# Altium PCB SP7.PcbDoc (part 1 of 4) (continued)
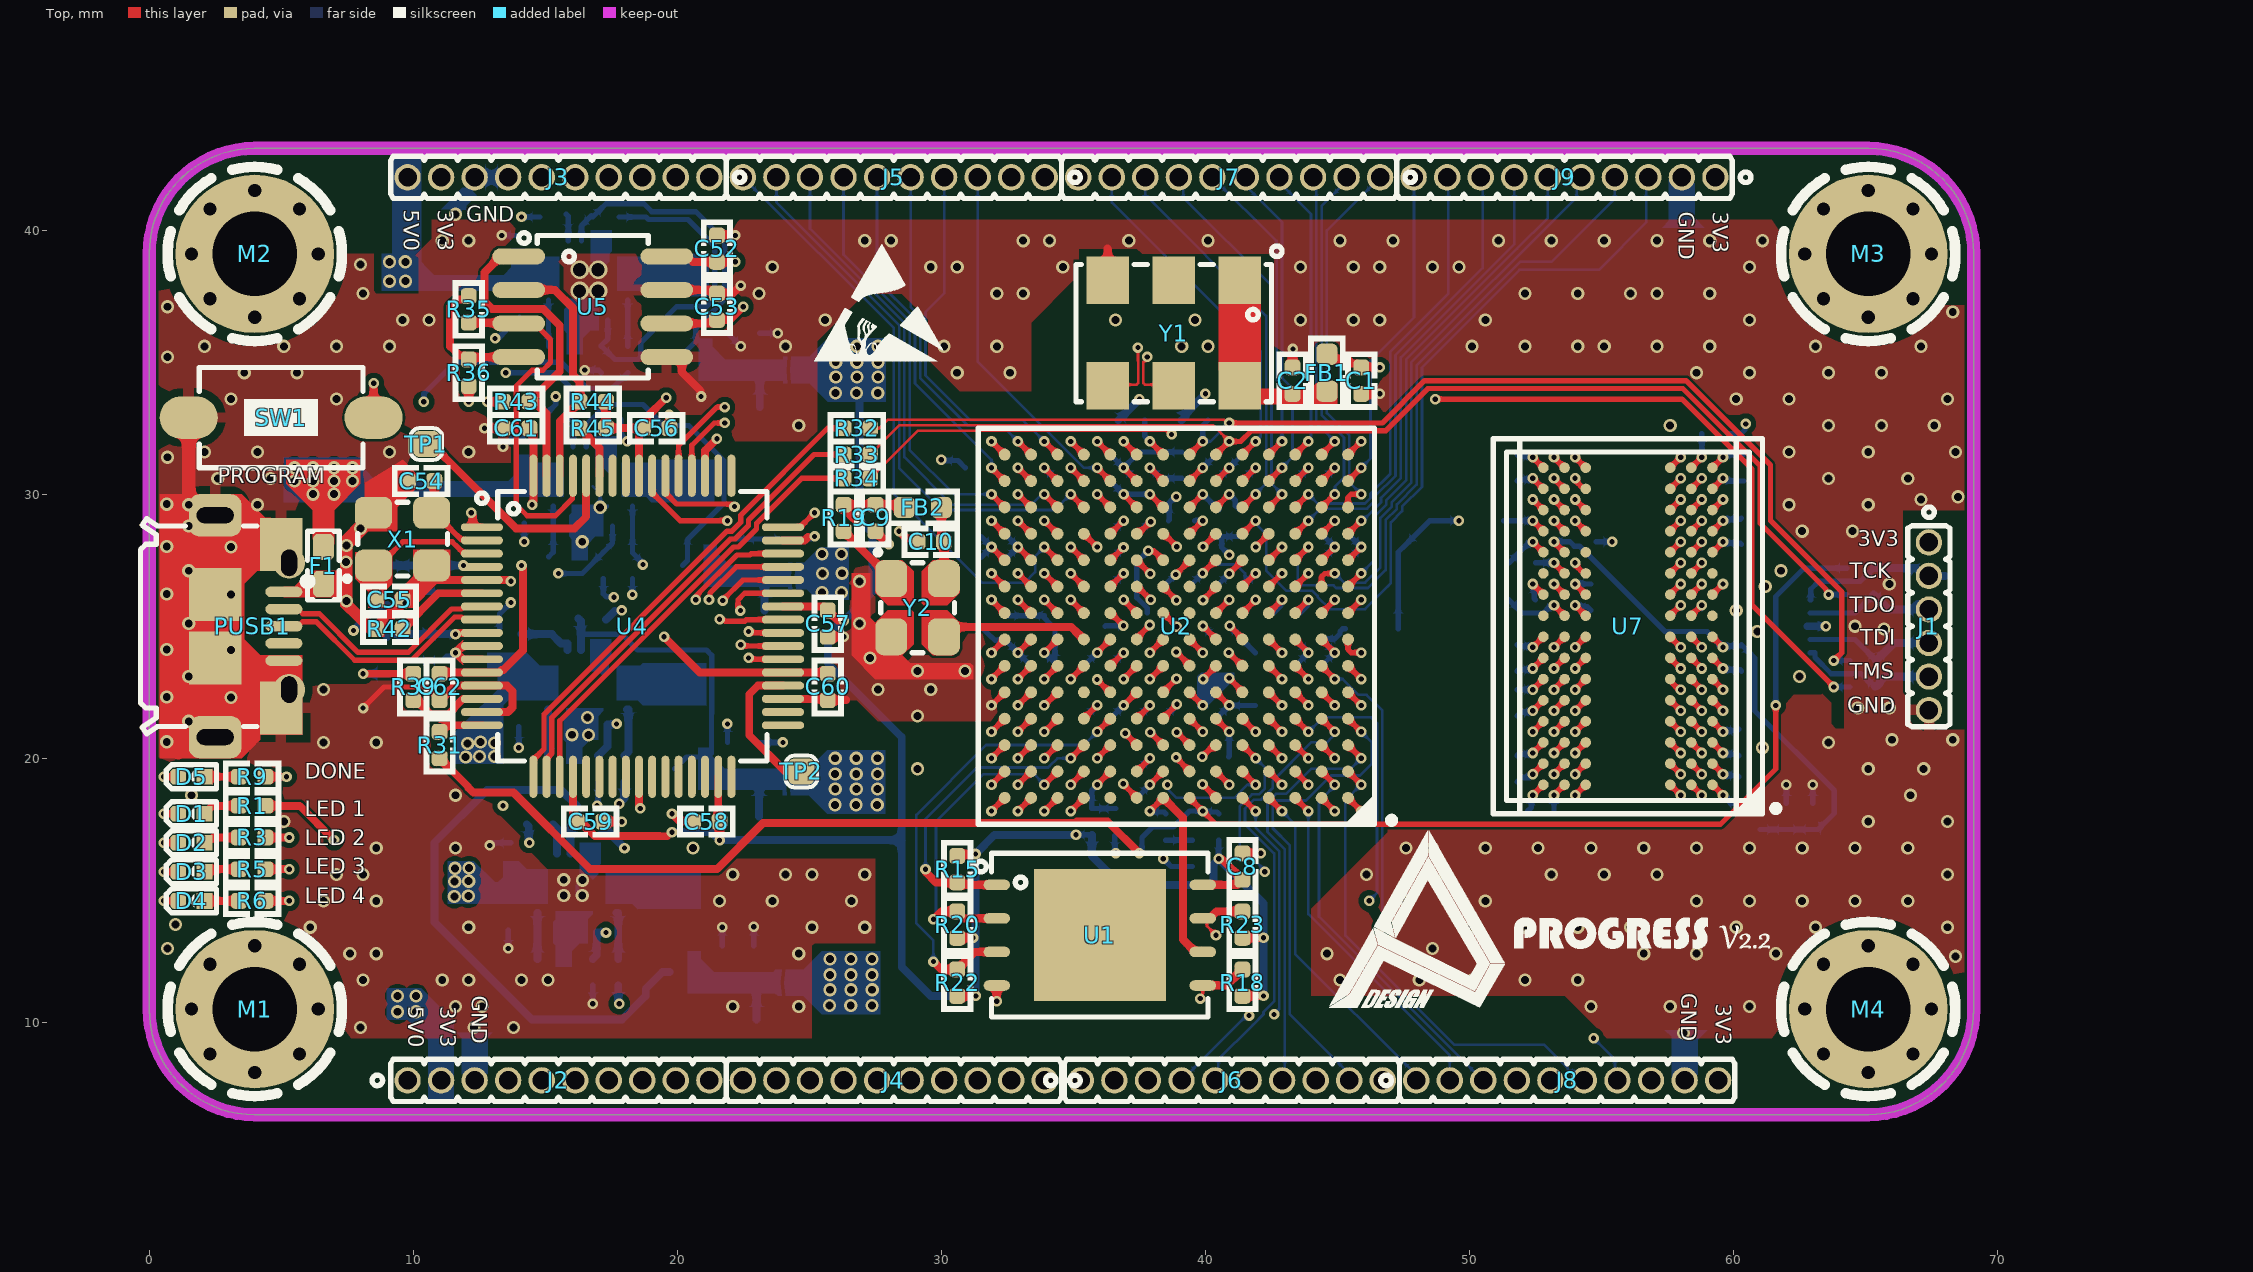
[diagram p0: Top view]
## Footprints (in the part's own frame and the unit in brackets; to place one, negate y for a bottom-side part, rotate by r counter-clockwise, add the part's x,y. Pads: shape width x height; smd on the part's side, far side on the other; paste and mask are expansions set on the pad) (continued)
  silkscreen extent -8.27,-7.5 7.5,7.5, body extent -7.5,-7.5 7.5,7.5, height 1.55
C0402 [mm] "CHIP Capacitor, 1.0X0.5mm, 0402"
  rrect50% 0.6x0.6 smd paste-0.05 mask+0.075: 1(-0.5,0) 2(0.5,0)
  silkscreen extent -1.1,-0.6 1.1,0.6, body extent -0.5,-0.26 0.5,0.27, height 0.36
C0603 [mm] "CHIP Capacitor, 1.6X0.8mm, 0603 OPTIMIZED"
  rrect50% 0.8x0.8 smd paste-5 mask+0.075: 1(-0.7,0) 2(0.7,0)
  Top pour cut-out: -0.5,0.4 0.5,0.4 0.5,-0.4 -0.5,-0.4
  silkscreen extent -1.4,-0.7 1.4,0.7, body extent -0.8,-0.4 0.8,0.4, height 0.9
C0805 [mm] "CHIP Capacitor, 2.0X1.3mm, 0805"
  rrect50% 1x1.2 smd paste-5 mask+0.075: 1(-1,0) 2(1,0)
  Top pour cut-out: -0.5,0.8 0.5,0.8 0.5,-0.8 -0.5,-0.8
  silkscreen extent -1.7,-0.8 1.7,0.8, body extent -1,-0.62 1,0.62, height 1
C1206 [mm] "CHIP Capacitor, 3.2X1.6mm, 1206"
  rrect50% 1.6x1.6 smd paste-5 mask+0.075: 1(-1.4,0) 2(1.4,0)
  Top pour cut-out: -0.8,1 -0.8,-1 0.8,-1 0.8,1
  silkscreen extent -2.4,-1 2.4,1, body extent -1.6,-0.8 1.6,0.8, height 1
F0603 [mm] "FUSE FAST 500mA, 1.6x0.8mm, 0603"
  rrect50% 1x0.8 smd paste-2 mask+0.075: 1(-0.7,0) 2(0.7,0)
  Top pour cut-out: -0.65,0.5 -0.45,0.7 0.45,0.7 0.65,0.5 0.65,-0.5 0.45,-0.7 -0.45,-0.7 -0.65,-0.5
  silkscreen extent -1.34,-0.6 1.34,0.6, body extent -0.82,-0.42 0.83,0.43, height 0.82
HDRMINI_M_1X6 [mm] "mini header (50mil pitch)"
  round 1 / inner round 1 / far side oval 1x1.4 hole 0.7 mask+0.05: 1(-3.175,0) 2(-1.905,0) 3(-0.635,0) 4(0.635,0) 5(1.905,0) 6(3.175,0)
  silkscreen extent -4.52,-0.8 3.81,0.8, body extent -3.81,-0.64 3.81,0.64, height 7.3
HDRMINI_M_1X10 [mm] "mini header (50mil pitch)"
  round 1 / inner round 1 / far side oval 1x1.4 hole 0.7 mask+0.05: 1(-5.715,0) 2(-4.445,0) 3(-3.175,0) 4(-1.905,0) 5(-0.635,0) 6(0.635,0) 7(1.905,0) 8(3.175,0) 9(4.445,0) 10(5.715,0)
  silkscreen extent -7.06,-0.8 6.35,0.8, body extent -6.35,-0.64 6.35,0.64, height 7.3
JP_100X60 [mm] "JUMPER SOLDER 1X0.6MM"
  rrect50% 0.2x1 smd paste-2 mask+0.05: 1(-0.2,0) 2(0.2,0)
  Top region: 0.1,0.5 0.05,0 0.1,-0.5 0.2,-0.5 0.2,0.5
  Top region: -0.2,0.5 -0.05,0.5 -0.1,0 -0.05,-0.5 -0.2,-0.5
  silkscreen extent -0.4,-0.6 0.4,0.6
L0603 [mm] "INDUCTOR, FERRITE BEAD, 0603, 1.6X0.8mm"
  rrect50% 0.8x0.8 smd paste-5 mask+0.075: 1(-0.7,0) 2(0.7,0)
  silkscreen extent -1.4,-0.7 1.4,0.7, body extent -0.8,-0.4 0.8,0.4, height 0.95
L1210 [mm] "INDUCTOR, FERRITE BEAD, 1210, 3.2X2.5mm"
  rrect50% 1.6x2.4 smd paste-0.2 mask+0.075: 1(-1.6,0) 2(1.6,0)
  Top pour cut-out: -0.8,1.3 -0.8,-1.3 0.8,-1.3 0.8,1.3
  silkscreen extent -2.6,-1.3 2.6,1.3, body extent -1.6,-1.25 1.6,1.25, height 1.35
LED0402BLU [mm] "LED SMD 0402, BLUE"
  rect 0.6x0.6 smd paste-2 mask+0.075: 1(-0.5,0)
  rrect50% 0.6x0.6 smd paste-2 mask+0.075: 2(0.5,0)
  silkscreen extent -0.95,-0.45 0.95,0.45, body extent -0.5,-0.25 0.51,0.25, height 0.45
QFG50_64 [mm] "A64 (CYPRESS), TQFP64, LQFP64, VQ44, VQG44, 10X10mm, Pitch: 0.5mm"
  oval 1.6x0.3 smd mask+0.05: 1(-5.7,3.75) 2(-5.7,3.25) 3(-5.7,2.75) 4(-5.7,2.25) 5(-5.7,1.75) 6(-5.7,1.25) 7(-5.7,0.75) 8(-5.7,0.25) 9(-5.7,-0.25) 10(-5.7,-0.75) 11(-5.7,-1.25) 12(-5.7,-1.75) 13(-5.7,-2.25) 14(-5.7,-2.75) 15(-5.7,-3.25) 16(-5.7,-3.75) 33(5.7,-3.75) 34(5.7,-3.25) 35(5.7,-2.75) 36(5.7,-2.25) 37(5.7,-1.75) 38(5.7,-1.25) 39(5.7,-0.75) 40(5.7,-0.25) 41(5.7,0.25) 42(5.7,0.75) 43(5.7,1.25) 44(5.7,1.75) 45(5.7,2.25) 46(5.7,2.75) 47(5.7,3.25) 48(5.7,3.75)
  oval 0.3x1.6 smd mask+0.05: 17(-3.75,-5.7) 18(-3.25,-5.7) 19(-2.75,-5.7) 20(-2.25,-5.7) 21(-1.75,-5.7) 22(-1.25,-5.7) 23(-0.75,-5.7) 24(-0.25,-5.7) 25(0.25,-5.7) 26(0.75,-5.7) 27(1.25,-5.7) 28(1.75,-5.7) 29(2.25,-5.7) 30(2.75,-5.7) 31(3.25,-5.7) 32(3.75,-5.7) 49(3.75,5.7) 50(3.25,5.7) 51(2.75,5.7) 52(2.25,5.7) 53(1.75,5.7) 54(1.25,5.7) 55(0.75,5.7) 56(0.25,5.7) 57(-0.25,5.7) 58(-0.75,5.7) 59(-1.25,5.7) 60(-1.75,5.7) 61(-2.25,5.7) 62(-2.75,5.7) 63(-3.25,5.7) 64(-3.75,5.7)
  silkscreen extent -5.9,-5.1 5.1,5.1, body extent -6,-6 6,6, height 1.6
QFN50_16T_3X3 [mm] "RGT PVQFN (TI), 16-lead, pitch: 0.5mm, 3x3mm"
  oval 0.8x0.3 smd mask+0.075: 1(-1.5,0.75) 2(-1.5,0.25) 3(-1.5,-0.25) 4(-1.5,-0.75) 9(1.5,-0.75) 10(1.5,-0.25) 11(1.5,0.25) 12(1.5,0.75)
  oval 0.3x0.8 smd mask+0.075: 5(-0.75,-1.5) 6(-0.25,-1.5) 7(0.25,-1.5) 8(0.75,-1.5) 13(0.75,1.5) 14(0.25,1.5) 15(-0.25,1.5) 16(-0.75,1.5)
  rect 1.6x1.6 smd paste-3 mask+0.1: 17(0,0)
  silkscreen extent -2.3,-1.6 1.6,1.6, body extent -1.5,-1.5 1.5,1.5, height 1
R0402 [mm] "CHIP Resistor, 1.0X0.5mm, 0402"
  rrect50% 0.6x0.6 smd paste-0.05 mask+0.075: 1(-0.5,0) 2(0.5,0)
  silkscreen extent -1.1,-0.6 1.1,0.6, body extent -0.57,-0.27 0.58,0.28, height 0.41
SCMH_M3 [mm] "SCREW mouting, M3, 3.0mm diameter and 6.0mm PanHead"
  round 6 / inner round 3.5 / far side round 6 hole 3.2 mask+0.1: 1(0,0)
  Top pour cut-out: 0,3.5 -1.339,3.234 -2.475,2.475 -3.234,1.339 -3.5,0 -3.5,0 -3.234,-1.339 -2.475,-2.475 -1.339,-3.234 0,-3.5 0,-3.5 1.75,-3.031 3.031,-1.75 3.5,0 3.5,0 3.234,1.339 2.475,2.475 1.339,3.234 0,3.5
  Bottom pour cut-out: 0,3.5 -1.339,3.234 -2.475,2.475 -3.234,1.339 -3.5,0 -3.5,0 -3.234,-1.339 -2.475,-2.475 -1.339,-3.234 0,-3.5 0,-3.5 1.75,-3.031 3.031,-1.75 3.5,0 3.5,0 3.234,1.339 2.475,2.475 1.339,3.234 0,3.5
  silkscreen extent -3.3,-3.3 3.3,3.3
SO_8 [mm] "SOP-8, 5x3.9mm body 1.27mm pitch, SOT96-1, M08A, S8, SOIC8, VO8, MS-012AA(JEDEC), R-8, 8S2, VOG8"
  oval 2x0.6 smd: 1(-2.8,1.905) 2(-2.8,0.635) 3(-2.8,-0.635) 4(-2.8,-1.905) 5(2.8,-1.905) 6(2.8,-0.635) 7(2.8,0.635) 8(2.8,1.905)
  silkscreen extent -2.8,-2.7 2.1,2.8, body extent -3,-2.45 3,2.45, height 1.7
SON50_10_2510 [mm] "DQA, USON, uDFN-10, MO-229 (JEDEC), SLP2510P8  - 2.5x1.0x0.5mm"
  oval 0.6x0.2 smd mask+0.05: 1(-0.4,1) 2(-0.4,0.5) 4(-0.4,-0.5) 5(-0.4,-1) 6(0.4,-1) 7(0.4,-0.5) 9(0.4,0.5) 10(0.4,1)
  rect 0.8x0.4 smd paste-2 mask+0.05: 3(-0.3,0) 8(0.3,0)
  silkscreen extent -1.1,-1.4 0.6,1.5, body extent -0.51,-1.25 0.5,1.25, height 0.55
SON127_8T_6080 [mm] "WSON 8, 6X8, pitch: 1.27mm"
  oval 1x0.4 smd: 1(-3.9,1.905) 2(-3.9,0.635) 3(-3.9,-0.635) 4(-3.9,-1.905) 5(3.9,-1.905) 6(3.9,-0.635) 7(3.9,0.635) 8(3.9,1.905)
  rect 5x5 smd paste-5: 9(0,0)
  silkscreen extent -4.7,-3.1 4.1,3.1, body extent -4,-3 4,3, height 0.81
SWPBS_SPST_6X3X2 [mm] "SWITCH, PUSHBUTTON, SMD, SPST, 6X3.5X2.5mm, RS-282G05A3, SKQYPA, 50000 Cycles"
  oval 2.2x1.6 smd mask+0.1: 1(-3.5,0) 2(3.5,0)
  silkscreen extent -3.1,-1.9 3.1,1.9, body extent -3.4,-1.86 3.4,1.86, height 2.5
TPSMD_S1 [mm] "Test Point, SMD Pad, Circle, 1mm X 1mm"
  rrect50% 1x1 smd paste-1.016 mask+0.025: 1(0,0)
  silkscreen extent -0.6,-0.6 0.6,0.6
USB_MICRO_B_BM_SHS [mm] "CONN, USB Micro B - Standard (Bottom mount), Shell SMD, 473460001, ZX62-AB-5PA"
  oval 0.4x1.4 smd mask+0.05: 1(1.3,0) 2(0.65,0) 3(0,0) 4(-0.65,0) 5(-1.3,0)
  round 1.2 hole 0.6 slot 1 at 0 deg mask+0.05: SH1(-2.4,-0.2) SH2(2.4,-0.2)
  rect 2x2 smd: SH3(-1.2,2.6) SH4(1.2,2.6)
  rrect50% 1.6x2 / inner oval 0.8x1.6 / far side oval 0.8x1.6 hole 0.6 slot 1.4 at 90 deg: SH5(-4.2,2.6) SH6(4.2,2.6)
  rect 2x1.6 smd: SH7(-3.1,0.1) SH8(3.1,0.1)
  silkscreen extent -4.08,-1.1 4.08,5.43, body extent -3.99,-0.3 3.99,5.13, height 2.72
XTL_4_3225 [mm] "CRYSTAL OSCILATOR 3.2X2.5mm, ABM8, CDFN-4"
  rrect50% 1.2x1.4 smd: 1(-1,1.1) 2(-1,-1.1) 3(1,-1.1) 4(1,1.1)
  Top pour cut-out: -1.6,1.8 -1.6,-1.8 1.6,-1.8 1.6,1.8
  silkscreen extent -1.6,-1.7 1.4,2.2, body extent -1.25,-1.6 1.25,1.6, height 0.61
XTL_4_3225GEN [mm] "CRYSTAL OSCILATOR 1.2X1.0mm to 3.2X2.5mm"
  rrect50% 1.2x1.4 smd: 1(-1,1.1) 2(-1,-1.1) 3(1,-1.1) 4(1,1.1)
  Top pour cut-out: -1.6,1.8 -1.6,-1.8 1.6,-1.8 1.6,1.8
  Top region: 0.15,-0.175 0.225,-0.1 1.125,-0.1 1.6,-0.575 1.6,-1.55 1.35,-1.8 0.575,-1.8 0.15,-1.375
  Top region: 0.15,0.175 0.225,0.1 1.125,0.1 1.6,0.575 1.6,1.55 1.35,1.8 0.575,1.8 0.15,1.375
  Top region: -0.15,0.175 -0.225,0.1 -1.125,0.1 -1.6,0.575 -1.6,1.55 -1.35,1.8 -0.575,1.8 -0.15,1.375
  Top region: -0.15,-0.175 -0.225,-0.1 -1.125,-0.1 -1.6,-0.575 -1.6,-1.55 -1.35,-1.8 -0.575,-1.8 -0.15,-1.375
  silkscreen extent -1.6,-1.7 1.4,2.2, body extent -1.25,-1.6 1.25,1.6, height 0.61
XTL_6_7050 [mm] "Crystal Oscillator 6-Lead, 7X5mm"
  rect 1.8x1.6 smd: 1(-2,2.5) 2(-2,0) 3(-2,-2.5) 4(2,-2.5) 5(2,0) 6(2,2.5)
  Top pour cut-out: -2.8,3.8 -2.8,-3.8 2.8,-3.8 2.8,3.8
  silkscreen extent -3.3,-3.7 2.6,4.1, body extent -2.5,-3.5 2.5,3.5, height 1.2

## Part data
C1 C2 C4 C5 C6 C7 C8 C9 C10 C12 C13 C14 C16 C17 C18 C19 C20 C22 C23 C24 C25 C26 C30 C31 C32 C33 C34 C35 C92 C93 C94 C95 C96 C97 C98 C99 C100 C101 C102 C103 C104 C105 C106: library part CAP_SMD_MLCC_0402, "CAP, MLCC, -F, -V, MATERIAL, -%, 0201", ASSEMBLY=ASSEMBLY, MANF=-, MANF_P#=MANF_PART#, PARAM="-, -%", PARAM2=-V, PRICE="100= 1$"
C3 C11 C15 C21 C27 C28 C29: library part CAP_SMD_MLCC_0805, "CAP, MLCC, -F, -V, MATERIAL, -%, 0201", ASSEMBLY=ASSEMBLY, MANF=-, MANF_P#=MANF_PART#, PARAM="-, -%", PARAM2=-V, PRICE="100= 1$"
C52 C53 C54 C55 C56 C57 C58 C59 C60 C61 C62 C63 C64 C65 C66: library part CAP_SMD_MLCC_4.7u25V, "CAP, MLCC, 4.7uF, 25V, X5R, 10%, 0603", ASSEMBLY=ASSEMBLY, DIST#=MOUSER, MANF=TDK, MANF_P#=C1608X5R1E475K080AC, PARAM=25V, PARAM2="X5R, 10%", PRICE="100= 14$"
C67 C68 C76 C77 C81 C82 C86 C87: library part CAP_SMD_MLCC_10u16V, "CAP, MLCC, 10uF, 16V, X6S, 20%, 0603", ASSEMBLY=ASSEMBLY, DESC="CAP, MLCC, 10uF, 16V, X5R, 10%, 0603", MANF=Murata, MANF_P#=GRM188R61C106KAALD, PARAM=16V, PARAM2="X5R, 10%"
  C67 C68: ClassName=TPS62130_1
  C76 C77 C81 C82: ClassName=TPS62130_2
  C86 C87: ClassName=TPS62130_3
C73 C78 C83 C88: library part CAP_SMD_MLCC_10u16V, "CAP, MLCC, 10uF, 25V, X5R, 10%, 0805", ASSEMBLY=ASSEMBLY, DESC="CAP, MLCC, 10uF, 25V, X5R, 10%, 0805", MANF=Murata, MANF_P#=GRM219R61E106KA12D, PARAM=25V, PARAM2="X5R, 10%"
  C73: ClassName=TPS62130_1
  C78 C83: ClassName=TPS62130_2
  C88: ClassName=TPS62130_3
C74 C79 C84 C89: library part CAP_SMD_MLCC_100n50V, "CAP, MLCC, 100nF, 50V, X7S, 5%, 0402C", ASSEMBLY=ASSEMBLY, DESC="CAP, MLCC, 100nF, 50V, X7S, 5%, 0402C", MANF=Murata, MANF_P#=GRM155C71H104JE19D, PARAM=50V, PARAM2="X7R, 10%", PRICE="100= 2$"
  C74: ClassName=TPS62130_1
  C79 C84: ClassName=TPS62130_2
  C89: ClassName=TPS62130_3
C75 C80 C85 C90: library part CAP_SMD_MLCC_100n50V, "CAP, MLCC, -", ASSEMBLY=ASSEMBLY, DESC=-, MANF=Murata, MANF_P#=GRM155R71H332KA01D, PARAM=50V, PARAM2="X7R, 10%", PRICE="100= 2$"
  C75: ClassName=TPS62130_1
  C80 C85: ClassName=TPS62130_2
  C90: ClassName=TPS62130_3
C91: library part CAP_SMD_MLCC_1206, "CAP, MLCC, -F, -V, MATERIAL, -%, 0201", ASSEMBLY=ASSEMBLY, MANF=-, MANF_P#=MANF_PART#, PARAM="-, -%", PARAM2=-V, PRICE="100= 1$"
D1 D2 D3 D4 D5: library part LED_SMD_0402_BLU, "LED, SMD, 0402, BLUE", ASSEMBLY=ASSEMBLY, DESC=DESCRIPTION, MANF="Wurth Electronics", MANF_P#=150040BS73240, PARAM="20mA, 470nm, 120° Angle", PARAM2=3V, PRICE=0.3$
F1: library part FUSE_500mA_0603_FAST, "Fuse, 500mA, 32VDC, 0603, SMD, Fast Acting", MANF="AVX Corporation", MANF_P#=F0603E0R50FSTR, PARAM="500mA; 32VDC; fast acting", PARAM2="0.25 Ohm DC Cold Resistance"
FB1 FB2 FB3 FB4: library part FBEAD_SMD_BLM18KG601, "FERRITE_Bead, 0603, 1.3A, 150mOhm, 600@100MHz", MANF=MURATA, MANF_P#=BLM18KG601SN1D, PARAM=600@100MHz, PARAM2="1.3A, 150mOhm", PRICE=0.1$
J1: library part HDRR_F_1X6, "CONN, HEADER, Female, pitch: 2.54mm, 6POS"
J2 J3 J4 J5 J6 J7 J8 J9: library part HDRMINI_M_1X10, "CONN, HEADER, Male, pitch: 1.27mm, 10POS"
JP2 JP4 JP5 JP6: library part JUMPER_HDR_2P, "JUMPER, HEADER 2PIN", MANF=MANF, MANF_P#=MANF_P#
  JP2: ClassName=TPS62130_1
  JP4 JP5: ClassName=TPS62130_2
  JP6: ClassName=TPS62130_3
L1 L2 L3 L4: library part IND_SMD_2.2uH_2.9A, "INDUCTOR, 2.2uH, 2.9A, 46mOhm, 1210", ASSEMBLY=ASSEMBLY, MANF=Bourns, MANF_P#=SRN2512-2R2M, PARAM="29A, 5A (Isat)", PARAM2="46mOhm, -40~125oC", PRICE=0.9$
  L1: ClassName=TPS62130_1
  L2 L3: ClassName=TPS62130_2
  L4: ClassName=TPS62130_3
M1 M2 M3 M4: library part SCMH_M3, "SCREW mouting, M3, 3.0mm diameter and 6.0mm PanHead", ASSEMBLY=DNP
PUSB1: library part CONN_USB_MICRO_B_BM_SHS, "CONN, USB, MICRO B, R/A, SMD, BOTTOM MOUNT", MANF=Molex, MANF_P#=47346-0001, MANF_P#2="HIROSE ZX62-AB-5PA", PARAM="1.8A, -20~85oC", PARAM2=30VAC, PRICE=0.75$
R1 R2 R3 R4 R5 R6 R7 R8 R9 R10 R11 R12 R13 R14 R15 R16 R17 R18 R19 R20 R21 R22 R23 R24 R62 R63 R64 R65 R66 R67: library part RES_SMD_0402, "RESISTOR, SMD", ASSEMBLY=ASSEMBLY, DESC=DESCRIPTION, DIST#=MOUSER, MANF=-, MANF_P#=-, PARAM=-W, PARAM2=1%, PRICE="100= 0.5$"
R31 R32 R33 R34 R35 R36 R37 R38 R39 R40 R41 R42 R43 R44 R45: library part RES_SMD_0_0402, "RESISTOR, SMD", ASSEMBLY=ASSEMBLY, DESC=DESCRIPTION, DIST#=MOUSER, MANF="KOA SPEER", MANF_P#=RK73Z1ETTP, PARAM=0.063W, PARAM2=1%, PRICE="100= 0.8$"
R46 R48 R51 R53 R55 R57 R59 R61: library part RES_SMD_10K_0402, "RESISTOR, SMD", ASSEMBLY=ASSEMBLY, DESC=DESCRIPTION, DIST#=MOUSER, PARAM=0.063W, PARAM2=1%, PRICE="100= 0.8$"
  R46: ClassName=TPS62130_1, MANF="KOA SPEER", MANF_P#=RK73Z1ETTP
  R48: ClassName=TPS62130_1, MANF=Yageo, MANF_P#=AC0402FR-0731K6L
  R51 R55: ClassName=TPS62130_2, MANF=Yageo, MANF_P#=AC0402FR-0731K6L
  R53 R57: ClassName=TPS62130_2, MANF="KOA SPEER", MANF_P#=RK73Z1ETTP
  R59: ClassName=TPS62130_3, MANF=Yageo, MANF_P#=AC0402FR-0731K6L
  R61: ClassName=TPS62130_3, MANF="KOA SPEER", MANF_P#=RK73Z1ETTP
R47 R49 R50 R52 R54 R56 R58 R60: library part RES_SMD, "RESISTOR, SMD, 10K, 1%, 0402", ASSEMBLY=ASSEMBLY, DESC="RESISTOR, SMD, 10K, 1%, 0402", DIST#=MOUSER, MANF="KOA SPEER", PARAM=0.063W, PARAM2=1%, PRICE="100= 0.5$"
  R47: ClassName=TPS62130_1, MANF_P#=-
  R49: ClassName=TPS62130_1, MANF_P#=RK73H1ETTP1002F
  R50 R54: ClassName=TPS62130_2, MANF_P#=-
  R52 R56: ClassName=TPS62130_2, MANF_P#=RK73H1ETTP1002F
  R58: ClassName=TPS62130_3, MANF_P#=-
  R60: ClassName=TPS62130_3, MANF_P#=RK73H1ETTP1002F
SW1: library part SWPBS_SPST_6X3X2_RS282, "SWITCH, PUSH BUTTON, TACTILE, SMD, SPST, 6X3.5X2.5mm", ASSEMBLY=ASSEMBLY, DESC=DESCRIPTION, MANF=C&K, MANF_P#="RS-282G05A3-SM RT", PARAM=PARAM, PRICE=0.8$
TP1 TP2 TP3 TP4 TP5 TP6: "TEST POINT", MANF=MANF, MANF_P#=MANF_P#
  TP3: ClassName=TPS62130_1
  TP4 TP5: ClassName=TPS62130_2
  TP6: ClassName=TPS62130_3
U1: library part S25FL256_SON8, "SPI FLASH Memory, 256Mb (32M x8), 104MHz", MANF=SPANSION, MANF_P#=S25FL256SAGNFI00, PARAM="256Mb (32M x8), 104MHz", PARAM2=2.7~3.6V, PRICE=4.4$
U2: "Spartan-7 FPGA, 100 User I/Os, 196-Ball BGA, 25k logic cell", ASSEMBLY=ASSEMBLY, MANF=Xilinx, MANF_P#=XC7S25-2FTGB196
U4: library part FT2232HL_QFP64, "USB, DUAL, Multipurpose UART/FIFO, USB High Speed", MANF=FTDI, MANF_P#=FT2232HL, PARAM2=3.3V
U5: library part EEPROM_SPI_AT93C46_SOP8, "EEPROM, SPI, 1KBIT, SOP-8"
U6: library part TVS_X4_TPD4E05U06, "TVS, ESD PROTECT, 4CH,", MANF="Texas Instruments", MANF_P#=TPD4E05U06DQA, PARAM="±12-kV ContactD, ±15-kVAirD", PARAM2="6.5Vbr, 0.4pF, –40°~125°C", PRICE=0.6$
U7: library part DDR3_AS4C256M16_BGA96, "DDR3L SDRAM, 4Gb (256Mb X16), 1.5V, FBGA-96", ASSEMBLY=ASSEMBLY, DESC=AS4C256M16D3A-12BAN, MANF="ALLIANCE MEMORY", MANF_P#=AS4C256M16D3A-12BIN, PARAM="4Gb (256Mb X16), 800MHz", PARAM2="1.5V, -40~95oC", PRICE=10.9$
UP1 UP2 UP3 UP4: library part VREG_TPS62130_QFN16, "REG, Switching, Buck, 3A, ADJ, 2.5MHz, 3~17VIN, QFN-16", ASSEMBLY=ASSEMBLY, MANF="Texas Instruments", MANF_P#=TPS62130ARGT, PARAM="3A, ADJ", PARAM2="2.5MHz, 3~17VIN"
  UP1: ClassName=TPS62130_1
  UP2 UP3: ClassName=TPS62130_2
  UP4: ClassName=TPS62130_3
X1: library part XTL_4_12MHz_3225, "Crystal 12MHz", MANF=ECS, MANF_P#=ECS-120-18-33-JEM-TR, PARAM="20PPM, 18pF", PRICE=0.5$
Y1: library part OSC_6_SG7050VAN_200MHz, "CLOCK OSCILLATOR, DIFFERENTIAL, 200MHZ", ASSEMBLY=ASSEMBLY, DESC=DESCRIPTION, MANF=Epson, MANF_P#="SG7050VAN 200.000000M-KEGA3", PARAM=30ppm, PARAM2=2.5~3.3VCC, PRICE=2$
Y2: "CLOCK OSCILLATOR, 100MHz, 50PPM", ASSEMBLY=ASSEMBLY, DESC=DESCRIPTION, DIST#=MOUSER, MANF=Kyocera, MANF_P#=KC3225A100.000C3GE00, PARAM="50PPM, -40~85oC", PARAM2=3.3V, PRICE=2.2$

## Via types
v1: diameter 0.4, hole 0.2, Top to Bottom, tented both sides, 330 vias
v2: diameter 0.5, hole 0.3, Top to Bottom, tented both sides, 183 vias
v3: diameter 0.5/0.5/0.5/0.5 (per signal layer), hole 0.3, Top to Bottom, tented both sides, 138 vias
v4: diameter 0.4/0.5/0.5/0.5 (per signal layer), hole 0.2, Top to Bottom, tented both sides, 91 vias
v5: diameter 0.8, hole 0.5, Top to Bottom, 32 vias
v6: diameter 0.7/0.5/0.5/0.5 (per signal layer), hole 0.5, Top to Bottom, tented both sides, 4 vias

## Nets (pads, with @x,y where several pads share a name; then routed paths per layer and width w, separated by ;. In a path a pad name is that pad's centre, name@x,y a point inside that pad or via, vN(x,y) a via of type N, cw(c..) or ccw(c..) an arc to the next point about the centre after c; other vN are vias at no path point)
CFGBVS: R17.2 U2.N7 | length 1.3
  Top w0.2: U2.N7@39.4,30.5 v1(39.9,31)
  Bottom w0.2: v1(39.9,31) R17.2@40.3,31.401
DDR3_A0: J7.10 U2.L2 U7.N3 | length 42.8
  Top w0.2: U2.L2@44.4,28.5 v1(44.9,29) ; U7.N3@57.6,28.6 v4(58,29)
  05_SIG w0.1: J7.10@35.185,42 35.1,41.915 35.1,40.8 38.6,37.3 38.6,34.383 40.55,32.433 40.55,28.85 40.8,28.6 44.5,28.6 v1(44.9,29) 45.55,28.35 46.045,28.35 46.595,27.8 52.566,27.8 52.8,28.034 52.8,28.366 53.034,28.6 54.107,28.6 54.157,28.6 54.407,28.6 cw(c54.407,28.475) 54.532,28.475 54.532,28.273 ccw(c54.657,28.273) 54.657,28.148 ccw(c54.657,28.273) 54.782,28.273 54.782,28.942 cw(c54.907,28.942) 54.907,29.067 cw(c54.907,28.942) 55.032,28.942 55.032,28.675 ccw(c55.157,28.675) 55.157,28.55 ccw(c55.157,28.675) 55.282,28.675 55.282,28.942 cw(c55.407,28.942) 55.407,29.067 cw(c55.407,28.942) 55.532,28.942 55.532,28.675 ccw(c55.657,28.675) 55.657,28.55 ccw(c55.657,28.675) 55.782,28.675 55.782,28.942 cw(c55.907,28.942) 55.907,29.067 cw(c55.907,28.942) 56.032,28.942 56.032,28.273 ccw(c56.157,28.273) 56.157,28.148 ccw(c56.157,28.273) 56.282,28.273 56.282,28.942 cw(c56.407,28.942) 56.407,29.067 cw(c56.407,28.942) 56.532,28.942 56.532,28.273 ccw(c56.657,28.273) 56.657,28.148 ccw(c56.657,28.273) 56.782,28.273 56.782,28.942 cw(c56.907,28.942) 56.907,29.067 cw(c56.907,28.942) 57.032,28.942 57.032,28.273 ccw(c57.157,28.273) 57.157,28.148 ccw(c57.157,28.273) 57.282,28.273 57.282,28.478 cw(c57.407,28.478) 57.407,28.603 57.553,28.603 57.603,28.603 v4(58,29)
DDR3_A1: J9.7 U2.L1 U7.P7 | length 38.1
  Top w0.2: U2.L1@45.4,28.5 v1(45.9,29) ; v4(54,29.8) U7.P7@54.4,29.4
  05_SIG w0.1: v1@45.839,29 v1(45.9,29) 46.3,28.6 46.346,28.6 46.396,28.6 ccw(c46.396,28.725) 46.521,28.725 46.521,28.932 cw(c46.646,28.932) 46.646,29.057 cw(c46.646,28.932) 46.771,28.932 46.771,28.192 ccw(c46.896,28.192) 46.896,28.067 ccw(c46.896,28.192) 47.021,28.192 47.021,28.536 cw(c47.146,28.536) 47.146,28.661 cw(c47.146,28.536) 47.271,28.536 47.271,28.192 ccw(c47.396,28.192) 47.396,28.067 ccw(c47.396,28.192) 47.521,28.192 47.521,28.536 cw(c47.646,28.536) 47.646,28.661 cw(c47.646,28.536) 47.771,28.536 47.771,28.192 ccw(c47.896,28.192) 47.896,28.067 ccw(c47.896,28.192) 48.021,28.192 48.021,28.536 cw(c48.146,28.536) 48.146,28.661 cw(c48.146,28.536) 48.271,28.536 48.271,28.192 ccw(c48.396,28.192) 48.396,28.067 ccw(c48.396,28.192) 48.521,28.192 48.521,28.536 cw(c48.646,28.536) 48.646,28.661 cw(c48.646,28.536) 48.771,28.536 48.771,28.192 ccw(c48.896,28.192) 48.896,28.067 ccw(c48.896,28.192) 49.021,28.192 49.021,28.709 cw(c49.146,28.709) 49.146,28.834 cw(c49.146,28.709) 49.271,28.709 49.271,28.192 ccw(c49.396,28.192) 49.396,28.067 ccw(c49.396,28.192) 49.521,28.192 49.521,28.525 cw(c49.646,28.525) 49.646,28.65 cw(c49.646,28.525) 49.771,28.525 49.771,28.192 ccw(c49.896,28.192) 49.896,28.067 ccw(c49.896,28.192) 50.021,28.192 50.021,28.932 cw(c50.146,28.932) 50.146,29.057 cw(c50.146,28.932) 50.271,28.932 50.271,28.192 ccw(c50.396,28.192) 50.396,28.067 ccw(c50.396,28.192) 50.521,28.192 50.521,28.536 cw(c50.646,28.536) 50.646,28.661 cw(c50.646,28.536) 50.771,28.536 50.771,28.192 ccw(c50.896,28.192) 50.896,28.067 ccw(c50.896,28.192) 51.021,28.192 51.021,28.536 cw(c51.146,28.536) 51.146,28.661 cw(c51.146,28.536) 51.271,28.536 51.271,28.192 ccw(c51.396,28.192) 51.396,28.067 ccw(c51.396,28.192) 51.521,28.192 51.521,28.932 cw(c51.646,28.932) 51.646,29.057 cw(c51.646,28.932) 51.771,28.932 51.771,28.725 ccw(c51.896,28.725) 51.896,28.6 52.557,28.6 52.566,28.6 52.8,28.834 52.8,29.166 53.034,29.4 53.6,29.4 v4(54,29.8)
  Bottom w0.1: v1(45.9,29) 45.961,29 46.65,29.689 46.65,29.859 47.4,30.609 47.4,35.183 51.7,39.483 51.7,41.995 J9.7@51.695,42
DDR3_A2: J9.9 U2.M3 U7.P3 | length 40.1
  Top w0.2: U2.M3@43.4,29.5 v1(43.9,30) ; U7.P3@57.6,29.4 v4(58,29.8)
  03_SIG w0.1: v1(43.9,30) 44.293,30 44.693,29.6 50.4,29.6 51,30.2 51.225,30.2 51.525,30.2 cw(c51.525,30.075) 51.65,30.075 51.65,29.825 ccw(c51.775,29.825) 51.775,29.7 ccw(c51.775,29.825) 51.9,29.825 51.9,30.075 cw(c52.025,30.075) 52.025,30.2 52.3,30.2 54.316,30.2 54.366,30.2 ccw(c54.366,30.325) 54.491,30.325 54.491,30.575 cw(c54.616,30.575) 54.616,30.7 cw(c54.616,30.575) 54.741,30.575 54.741,29.825 ccw(c54.866,29.825) 54.866,29.7 ccw(c54.866,29.825) 54.991,29.825 54.991,30.575 cw(c55.116,30.575) 55.116,30.7 cw(c55.116,30.575) 55.241,30.575 55.241,30.193 ccw(c55.366,30.193) 55.366,30.068 ccw(c55.366,30.193) 55.491,30.193 55.491,30.575 cw(c55.616,30.575) 55.616,30.7 cw(c55.616,30.575) 55.741,30.575 55.741,30.221 ccw(c55.866,30.221) 55.866,30.096 ccw(c55.866,30.221) 55.991,30.221 55.991,30.575 cw(c56.116,30.575) 56.116,30.7 cw(c56.116,30.575) 56.241,30.575 56.241,29.868 ccw(c56.366,29.868) 56.366,29.743 ccw(c56.366,29.868) 56.491,29.868 56.491,30.575 cw(c56.616,30.575) 56.616,30.7 cw(c56.616,30.575) 56.741,30.575 56.741,30.192 ccw(c56.866,30.192) 56.866,30.067 ccw(c56.866,30.192) 56.991,30.192 56.991,30.575 cw(c57.116,30.575) 57.116,30.7 cw(c57.116,30.575) 57.241,30.575 57.241,30.325 ccw(c57.366,30.325) 57.366,30.2 57.6,30.2 57.676,30.124 v4(58,29.8)
  Bottom w0.1: v1(43.9,30) 44.25,29.65 45.875,29.65 46.045,29.65 46.25,29.855 46.25,30.025 47,30.775 47,35.4 49.2,37.6 J9.9@49.2,42
DDR3_A3: J7.8 U2.M5 U7.N2 | length 38.2
  Top w0.2: U2.M5@41.4,29.5 v1(41.9,30) ; U7.N2@58.4,28.6 v4(58.8,29)
  03_SIG w0.1: v1(41.9,30) 42.3,29.6 44.41,29.6 44.61,29.4 55.35,29.4 55.4,29.4 ccw(c55.4,29.525) 55.525,29.525 55.525,29.775 cw(c55.65,29.775) 55.65,29.9 cw(c55.65,29.775) 55.775,29.775 55.775,29.025 ccw(c55.9,29.025) 55.9,28.9 ccw(c55.9,29.025) 56.025,29.025 56.025,29.422 cw(c56.15,29.422) 56.15,29.547 cw(c56.15,29.422) 56.275,29.422 56.275,29.025 ccw(c56.4,29.025) 56.4,28.9 ccw(c56.4,29.025) 56.525,29.025 56.525,29.376 cw(c56.65,29.376) 56.65,29.501 cw(c56.65,29.376) 56.775,29.376 56.775,29.025 ccw(c56.9,29.025) 56.9,28.9 ccw(c56.9,29.025) 57.025,29.025 57.025,29.775 cw(c57.15,29.775) 57.15,29.9 cw(c57.15,29.775) 57.275,29.775 57.275,29.025 ccw(c57.4,29.025) 57.4,28.9 ccw(c57.4,29.025) 57.525,29.025 57.525,29.275 cw(c57.65,29.275) 57.65,29.4 57.9,29.4 58.4,29.4 v4(58.8,29)
  Bottom w0.1: J7.8@37.725,42 37.725,41.325 42.3,36.75 42.3,30.4 v1(41.9,30)
DDR3_A4: J7.7 U2.M4 U7.P8 | length 36.6
  Top w0.2: U2.M4@42.4,29.5 v1(42.9,30) ; v4(53.2,29.8) U7.P8@53.6,29.4
  05_SIG w0.1: v1(42.9,30) 42.5,30 42.2,29.7 42.2,29.459 42.21,29.448 42.259,29.4 42.453,29.4 cw(c42.453,29.275) 42.578,29.275 42.578,28.957 ccw(c42.703,28.957) 42.703,28.832 ccw(c42.703,28.957) 42.828,28.957 42.828,29.525 cw(c42.953,29.525) 42.953,29.65 cw(c42.953,29.525) 43.078,29.525 43.078,28.957 ccw(c43.203,28.957) 43.203,28.832 ccw(c43.203,28.957) 43.328,28.957 43.328,29.702 cw(c43.453,29.702) 43.453,29.827 cw(c43.453,29.702) 43.578,29.702 43.578,29.475 ccw(c43.703,29.475) 43.703,29.35 ccw(c43.703,29.475) 43.828,29.475 43.828,29.525 cw(c43.953,29.525) 43.953,29.65 cw(c43.953,29.525) 44.078,29.525 44.078,29.442 ccw(c44.203,29.442) 44.203,29.317 ccw(c44.203,29.442) 44.328,29.442 44.328,29.702 cw(c44.453,29.702) 44.453,29.827 cw(c44.453,29.702) 44.578,29.702 44.578,29.525 ccw(c44.703,29.525) 44.703,29.4 45.503,29.4 46.6,29.4 46.9,29.4 cw(c46.9,29.275) 47.025,29.275 47.025,28.986 ccw(c47.15,28.986) 47.15,28.861 ccw(c47.15,28.986) 47.275,28.986 47.275,29.275 cw(c47.4,29.275) 47.4,29.4 cw(c47.4,29.275) 47.525,29.275 47.525,28.986 ccw(c47.65,28.986) 47.65,28.861 ccw(c47.65,28.986) 47.775,28.986 47.775,29.275 cw(c47.9,29.275) 47.9,29.4 cw(c47.9,29.275) 48.025,29.275 48.025,28.986 ccw(c48.15,28.986) 48.15,28.861 ccw(c48.15,28.986) 48.275,28.986 48.275,29.275 cw(c48.4,29.275) 48.4,29.4 cw(c48.4,29.275) 48.525,29.275 48.525,28.986 ccw(c48.65,28.986) 48.65,28.861 ccw(c48.65,28.986) 48.775,28.986 48.775,29.275 cw(c48.9,29.275) 48.9,29.4 50.4,29.4 cw(c50.4,29.275) 50.525,29.275 50.525,28.986 ccw(c50.65,28.986) 50.65,28.861 ccw(c50.65,28.986) 50.775,28.986 50.775,29.275 cw(c50.9,29.275) 50.9,29.4 cw(c50.9,29.275) 51.025,29.275 51.025,28.986 ccw(c51.15,28.986) 51.15,28.861 ccw(c51.15,28.986) 51.275,28.986 51.275,29.275 cw(c51.4,29.275) 51.4,29.4 52,29.4 52.751,29.4 53.151,29.8 v4(53.2,29.8)
  Bottom w0.1: J7.7@38.995,42 39.157,41.838 39.157,41.243 42.5,37.9 42.5,30.4 v1(42.9,30)
DDR3_A5: J7.2 U2.M2 U7.P2 | length 35.7
  Top w0.2: U2.M2@44.4,29.5 v1(44.9,30) ; U7.P2@58.4,29.4 v4(58.8,29.8)
  05_SIG w0.1: v1(44.9,30) 45.3,29.6 51.634,29.6 52.234,30.2 54.525,30.2 54.575,30.2 ccw(c54.575,30.325) 54.7,30.325 54.7,30.575 cw(c54.825,30.575) 54.825,30.7 cw(c54.825,30.575) 54.95,30.575 54.95,29.929 ccw(c55.075,29.929) 55.075,29.804 ccw(c55.075,29.929) 55.2,29.929 55.2,30.575 cw(c55.325,30.575) 55.325,30.7 cw(c55.325,30.575) 55.45,30.575 55.45,29.929 ccw(c55.575,29.929) 55.575,29.804 ccw(c55.575,29.929) 55.7,29.929 55.7,30.575 cw(c55.825,30.575) 55.825,30.7 cw(c55.825,30.575) 55.95,30.575 55.95,29.929 ccw(c56.075,29.929) 56.075,29.804 ccw(c56.075,29.929) 56.2,29.929 56.2,30.575 cw(c56.325,30.575) 56.325,30.7 ; 56.325,30.7 cw(c56.325,30.575) 56.45,30.575 56.45,29.929 ccw(c56.575,29.929) 56.575,29.804 ccw(c56.575,29.929) 56.7,29.929 56.7,30.575 cw(c56.825,30.575) 56.825,30.7 cw(c56.825,30.575) 56.95,30.575 56.95,30.325 ccw(c57.075,30.325) 57.075,30.2 57.4,30.2 58.4,30.2 v4(58.8,29.8)
  Bottom w0.1: v1(44.9,30) 44.91,30.01 44.91,30.285 45.25,30.625 45.25,32.145 44.4,32.995 44.4,40.909 45.345,41.854 J7.2@45.345,42
DDR3_A6: J7.4 U2.P3 U7.R8 | length 33.2
  Top w0.2: U2.P3@43.4,31.5 v1(43.9,32) ; v4(53.2,30.6) U7.R8@53.6,30.2
  05_SIG w0.1: v1(43.9,32) 44.4,31.5 47.431,31.5 47.481,31.5 ccw(c47.481,31.625) 47.606,31.625 47.606,31.875 cw(c47.731,31.875) 47.731,32 cw(c47.731,31.875) 47.856,31.875 47.856,31.125 ccw(c47.981,31.125) 47.981,31 ccw(c47.981,31.125) 48.106,31.125 48.106,31.875 cw(c48.231,31.875) 48.231,32 cw(c48.231,31.875) 48.356,31.875 48.356,31.125 ccw(c48.481,31.125) 48.481,31 ccw(c48.481,31.125) 48.606,31.125 48.606,31.875 cw(c48.731,31.875) 48.731,32 cw(c48.731,31.875) 48.856,31.875 48.856,31.125 ccw(c48.981,31.125) 48.981,31 ccw(c48.981,31.125) 49.106,31.125 49.106,31.875 cw(c49.231,31.875) 49.231,32 cw(c49.231,31.875) 49.356,31.875 49.356,31.125 ccw(c49.481,31.125) 49.481,31 ccw(c49.481,31.125) 49.606,31.125 49.606,31.875 cw(c49.731,31.875) 49.731,32 cw(c49.731,31.875) 49.856,31.875 49.856,31.125 ccw(c49.981,31.125) 49.981,31 ccw(c49.981,31.125) 50.106,31.125 50.106,31.875 cw(c50.231,31.875) 50.231,32 cw(c50.231,31.875) 50.356,31.875 50.356,31.125 ccw(c50.481,31.125) 50.481,31 ccw(c50.481,31.125) 50.606,31.125 50.606,31.875 cw(c50.731,31.875) 50.731,32 cw(c50.731,31.875) 50.856,31.875 50.856,31.625 ccw(c50.981,31.625) 50.981,31.5 51.4,31.5 51.734,31.5 52.234,31 52.8,31 v4(53.2,30.6)
  Bottom w0.1: J7.4@42.805,42 42.805,41.8 44,40.605 44,32.181 43.9,32.081 v1(43.9,32)
DDR3_A7: J9.10 U2.N1 U7.R2 | length 36.1
  Top w0.2: U2.N1@45.4,30.5 v1(45.9,31) ; U7.R2@58.4,30.2 v4(58.8,30.6)
  03_SIG w0.1: v1(45.9,31) 47.4,32.5 53.729,32.5 54.029,32.5 cw(c54.029,32.375) 54.154,32.375 54.154,31.925 ccw(c54.279,31.925) 54.279,31.8 ccw(c54.279,31.925) 54.404,31.925 54.404,32.462 cw(c54.529,32.462) 54.529,32.587 cw(c54.529,32.462) 54.654,32.462 54.654,31.601 ccw(c54.779,31.601) 54.779,31.476 ccw(c54.779,31.601) 54.904,31.601 54.904,32.462 cw(c55.029,32.462) 55.029,32.587 cw(c55.029,32.462) 55.154,32.462 55.154,31.601 ccw(c55.279,31.601) 55.279,31.476 ccw(c55.279,31.601) 55.404,31.601 55.404,32.475 cw(c55.529,32.475) 55.529,32.6 cw(c55.529,32.475) 55.654,32.475 55.654,31.601 ccw(c55.779,31.601) 55.779,31.476 ccw(c55.779,31.601) 55.904,31.601 55.904,32.475 cw(c56.029,32.475) 56.029,32.6 cw(c56.029,32.475) 56.154,32.475 56.154,31.727 ccw(c56.279,31.727) 56.279,31.602 ccw(c56.279,31.727) 56.404,31.727 56.404,32.129 cw(c56.529,32.129) 56.617,32.217 56.741,32.094 57.834,31 58.4,31 v4(58.8,30.6)
  Bottom w0.1: v1(45.9,31) 46.25,31.35 46.25,32.736 46.25,35.05 47.9,36.7 J9.10@47.9,42
DDR3_A8: J7.9 U2.P5 U7.T8 | length 35.3
  Top w0.2: U2.P5@41.4,31.5 v1(41.9,32) ; v4(53.2,31.4) U7.T8@53.6,31
  05_SIG w0.1: v1(41.9,32) 42.6,32.7 47.806,32.7 47.856,32.7 ccw(c47.856,32.825) 47.981,32.825 47.981,33.075 cw(c48.106,33.075) 48.106,33.2 cw(c48.106,33.075) 48.231,33.075 48.231,32.495 ccw(c48.356,32.495) 48.356,32.37 ccw(c48.356,32.495) 48.481,32.495 48.481,33.075 cw(c48.606,33.075) 48.606,33.2 cw(c48.606,33.075) 48.731,33.075 48.731,32.495 ccw(c48.856,32.495) 48.856,32.37 ccw(c48.856,32.495) 48.981,32.495 48.981,33.075 cw(c49.106,33.075) 49.106,33.2 cw(c49.106,33.075) 49.231,33.075 49.231,32.495 ccw(c49.356,32.495) 49.356,32.37 ccw(c49.356,32.495) 49.481,32.495 49.481,33.075 cw(c49.606,33.075) 49.606,33.2 cw(c49.606,33.075) 49.731,33.075 49.731,32.495 ccw(c49.856,32.495) 49.856,32.37 ccw(c49.856,32.495) 49.981,32.495 49.981,33.075 cw(c50.106,33.075) 50.106,33.2 cw(c50.106,33.075) 50.231,33.075 50.231,32.495 ccw(c50.356,32.495) 50.356,32.37 ccw(c50.356,32.495) 50.481,32.495 50.481,33.075 cw(c50.606,33.075) 50.606,33.2 cw(c50.606,33.075) 50.731,33.075 50.731,32.495 ccw(c50.856,32.495) 50.856,32.37 ccw(c50.856,32.495) 50.981,32.495 50.981,33.075 cw(c51.106,33.075) 51.106,33.2 cw(c51.106,33.075) 51.231,33.075 51.231,32.825 ccw(c51.356,32.825) 51.356,32.7 51.6,32.7 51.9,32.7 v4(53.2,31.4)
  Bottom w0.1: J7.9@36.455,42 36.455,41.045 42.1,35.4 42.1,32.209 41.9,32.009 v1(41.9,32)
DDR3_A9: J7.5 U2.N4 U7.R3 | length 36
  Top w0.2: U2.N4@42.4,30.5 v1(42.9,31) ; U7.R3@57.6,30.2 v4(58,30.6)
  03_SIG w0.1: v1(42.9,31) 42.525,31 42.467,30.941 42.467,30.4 43,30.4 ccw(c43,30.525) 43.125,30.525 43.125,30.605 cw(c43.25,30.605) 43.25,30.73 cw(c43.25,30.605) 43.375,30.605 43.375,30.345 ccw(c43.5,30.345) 43.5,30.22 ccw(c43.5,30.345) 43.625,30.345 43.625,30.525 cw(c43.75,30.525) 43.75,30.65 cw(c43.75,30.525) 43.875,30.525 ccw(c44,30.525) 44,30.4 44.8,30.4 47.723,30.4 49.123,31.8 51.3,31.8 51.6,31.8 cw(c51.6,31.675) 51.725,31.675 51.725,31.425 ccw(c51.85,31.425) 51.85,31.3 ccw(c51.85,31.425) 51.975,31.425 51.975,31.675 cw(c52.1,31.675) 52.1,31.8 52.5,31.8 53.366,31.8 53.6,31.566 53.6,31.234 53.834,31 54.134,31 54.684,31 ccw(c54.684,31.125) 54.809,31.125 54.809,31.151 cw(c54.934,31.151) 54.934,31.276 cw(c54.934,31.151) 55.059,31.151 55.059,31.025 ccw(c55.184,31.025) 55.184,30.9 ccw(c55.184,31.025) 55.309,31.025 55.309,31.151 cw(c55.434,31.151) 55.434,31.276 cw(c55.434,31.151) 55.559,31.151 55.559,31.025 ccw(c55.684,31.025) 55.684,30.9 ccw(c55.684,31.025) 55.809,31.025 55.809,31.151 cw(c55.934,31.151) 55.934,31.276 cw(c55.934,31.151) 56.059,31.151 56.059,31.025 ccw(c56.184,31.025) 56.184,30.9 ccw(c56.184,31.025) 56.309,31.025 56.309,31.277 cw(c56.434,31.277) 56.434,31.402 cw(c56.434,31.277) 56.559,31.277 56.559,31.025 ccw(c56.684,31.025) 56.684,30.9 ccw(c56.684,31.025) 56.809,31.025 56.809,31.367 cw(c56.934,31.367) 56.934,31.492 cw(c56.934,31.367) 57.059,31.367 57.059,31.125 ccw(c57.184,31.125) 57.184,31 57.551,31 57.823,30.728 57.951,30.6 v4(58,30.6)
  Bottom w0.1: J7.5@41.535,42 41.535,41.665 42.9,40.3 42.9,34.4 43.3,34 43.3,31.4 v1(42.9,31)